# Altium PCB WunderBar_v102b.PcbDoc (part 3 of 7) (continued)
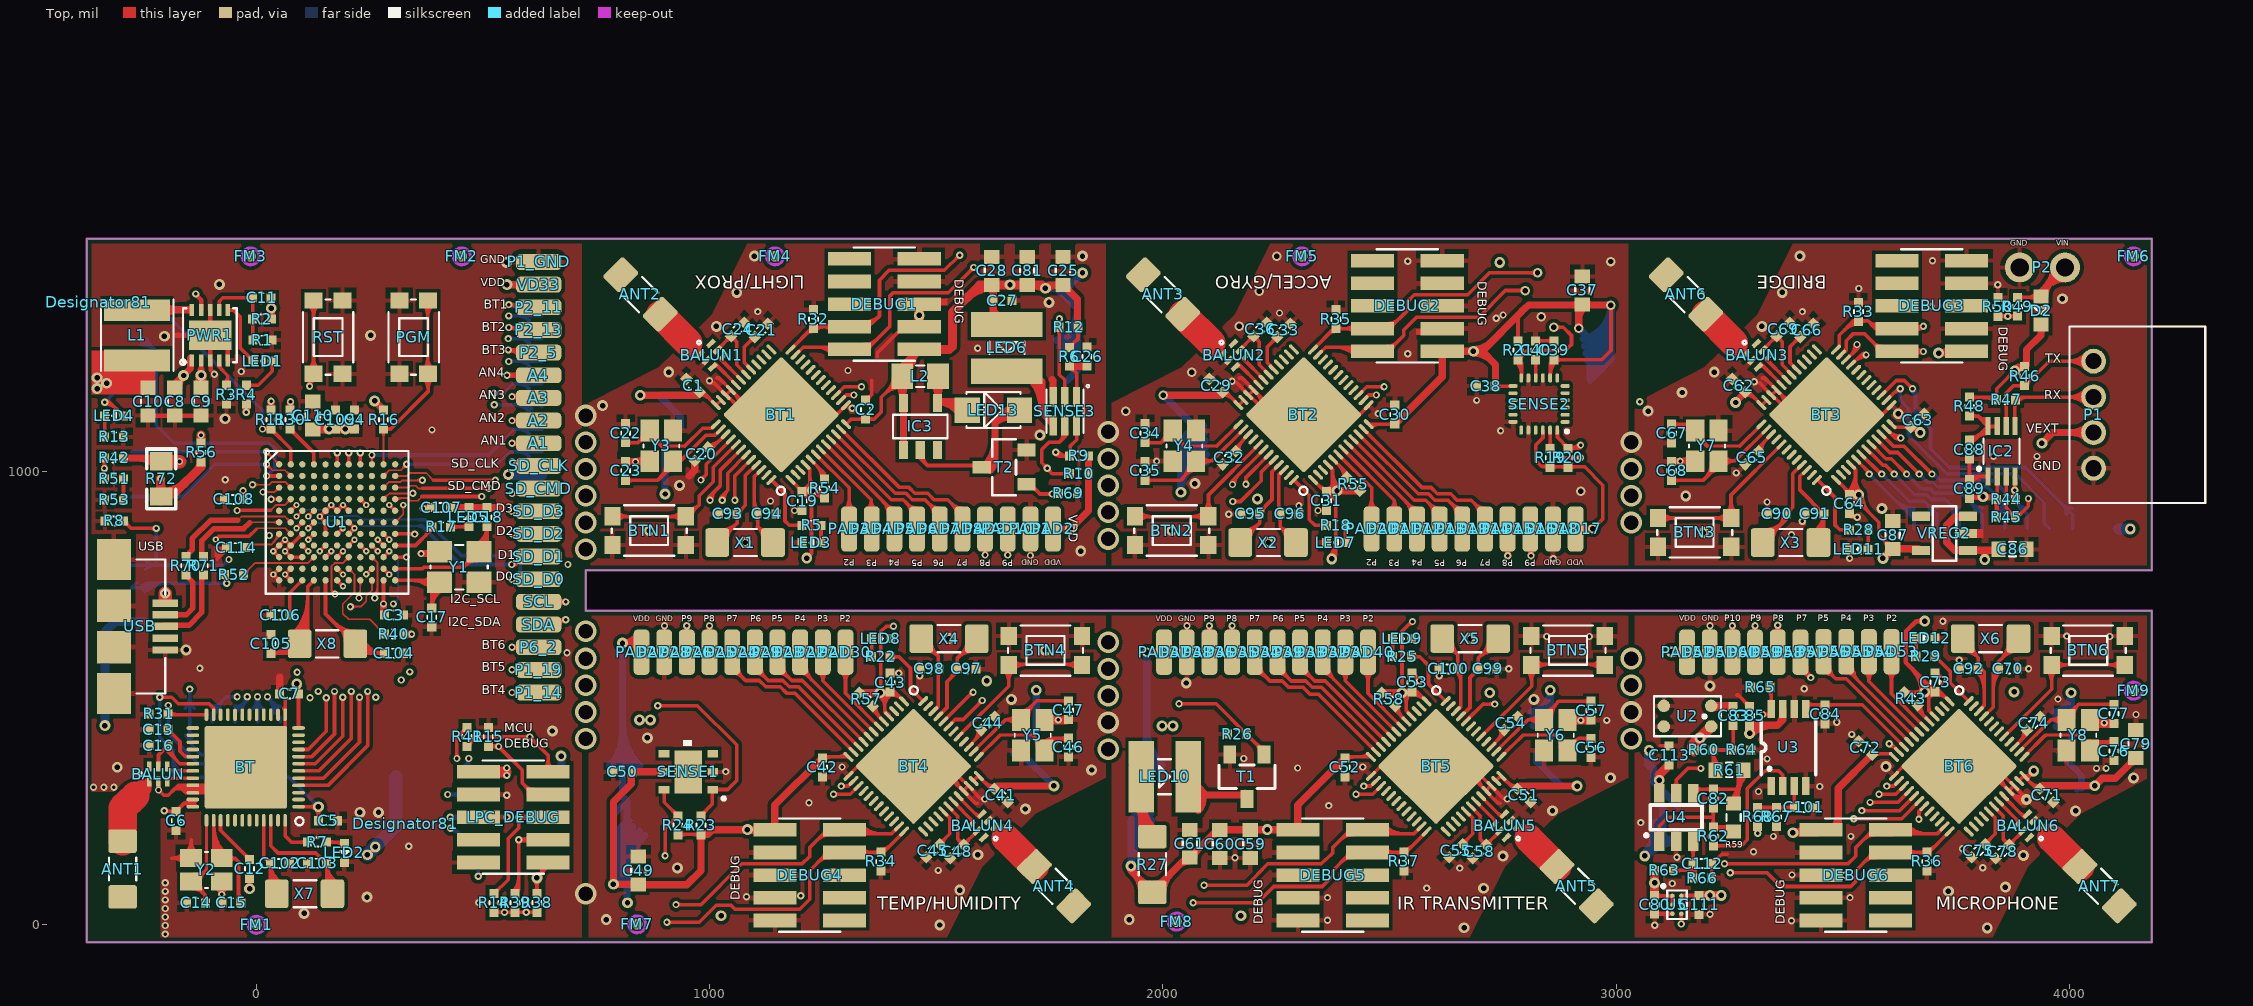
[diagram p0: Top view]
## Nets (pads, with @x,y where several pads share a name; then routed paths per layer and width w, separated by ;. In a path a pad name is that pad's centre, name@x,y a point inside that pad or via, vN(x,y) a via of type N, cw(c..) or ccw(c..) an arc to the next point about the centre after c; other vN are vias at no path point) (continued)
GYRO_SCL: BT2.42 R19.1 SENSE2.23 | length 1128.9
  Top w8: v1(2153.48,971.48) 2153.48,979.48 BT2.42@2223.48,1049.48 ; v1@2157.48,971.48 cw(c2186.45,971.48) 2165.97,991.97 ; R19.1@2850.24,1055.39 ccw(c2839.99,1065.63) 2854.48,1065.63 ccw(c2868.97,1065.63) R19.1@2858.72,1055.39 ; R19.1@2854.48,1045.15 cw(c2854.48,1029.87) 2865.29,1040.67 ; SENSE2.23@2854.48,1091.48 2854.48,1051.48 2875.48,1030.48 v1(2921.48,1030.48) ; R19.1@2860.48,1051.15 ccw(c2874.17,1051.15) 2864.49,1041.47 ; v1@2918.65,1027.65 ccw(c2911.82,1020.82) 2911.82,1030.48 ccw(c2911.82,1040.14) v1@2918.65,1033.31
  Route15 w8: v1(2153.48,971.48) 2212.48,1030.48 v1(2921.48,1030.48) ; v1@2153.48,975.48 ccw(c2153.48,985.14) 2160.31,978.31 ccw(c2167.14,971.48) v1@2157.48,971.48 ; v1@2918.65,1027.65 ccw(c2911.82,1020.82) 2911.82,1030.48 ccw(c2911.82,1040.14) v1@2918.65,1033.31
GYRO_SDA: BT2.43 R20.1 SENSE2.24 | length 1207.6
  Top w8: v1@2180.17,974.83 ccw(c2173.34,981.66) 2183,981.66 ccw(c2192.66,981.66) v1@2185.83,974.83 ; v1(2183,972) 2183,987 BT2.43@2234.48,1038.48 ; SENSE2.24@2870.48,1091.48 2870.48,1075.48 2893.48,1051.48 2914.48,1051.48 v1(2921.48,1058.48) ; 2883.24,1062.16 cw(c2872.22,1051.6) R20.1@2887.48,1051.28 ; 2884.01,1061.37 ccw(c2893.9,1070.85) R20.1@2893.61,1057.15 ; R20.1@2894.92,1051.48 ccw(c2894.92,1085.04) v1@2918.65,1061.31 ; R20.1@2897.72,1046.91 cw(c2908.76,1035.87) 2908.76,1051.48 ; R20.1@2897.72,1055.39 ccw(c2907.17,1064.84) 2907.17,1051.48 ; 2914.24,1051.48 ccw(c2914.24,1065.72) v1@2924.31,1055.65 ; v1@2917.48,1058.48 cw(c2907.82,1058.48) 2914.65,1051.65 cw(c2921.48,1044.82) v1@2921.48,1054.48
  Route15 w8: v1@2179,972 cw(c2169.34,972) 2176.17,965.17 cw(c2183,958.34) v1@2183,968 ; v1(2183,972) 2164,953 2145.48,953 2134,964.48 2134,978 2214.48,1058.48 v1(2921.48,1058.48) ; v1@2918.65,1055.65 ccw(c2911.82,1048.82) 2911.82,1058.48 ccw(c2911.82,1068.14) v1@2918.65,1061.31
L\P\C\_\R\E\S\E\T\: LPC_DEBUG.10 R38.1 RST.P1 RST.P2 U1.J11 | length 2095
  Top w8: RST.P2@114.08,1205.87 cw(c107.05,1198.83) RST.P2@117,1198.83 ; v1@114.17,1191.31 ccw(c107.34,1198.14) 117,1198.14 ccw(c126.66,1198.14) v1@119.83,1191.31 ; RST.P2@116.08,1225.67 ccw(c93.4,1248.35) 125.48,1248.35 ; RST.P1@116.08,1367.58 cw(c93.4,1344.9) 125.48,1344.9 ; v1@117,1187.6 cw(c132.4,1187.6) RST.P2@127.99,1202.36 ; v1(117,1188.48) 117,1206.79 RST.P2@125.98,1215.77 ; RST.P2@117,1198.34 cw(c129.19,1198.34) RST.P2@125.7,1210.02 ; RST.P2@125.48,1215.48 RST.P1@125.48,1377.48 ; 125.48,1250.79 ccw(c161,1250.79) RST.P2@135.88,1225.67 ; 125.48,1342.46 cw(c161,1342.46) RST.P1@135.88,1367.58 ; U1.J11@305.74,811.25 v1(330.65,811.25) ; U1.J11@307.86,809.12 cw(c312.99,804) 312.99,811.25 cw(c312.99,818.49) U1.J11@307.86,813.37 ; v1@327.82,808.42 ccw(c320.99,801.59) 320.99,811.25 ccw(c320.99,820.9) v1@327.82,814.07 ; v2@612.82,97.82 cw(c599.17,84.17) 618.48,84.17 cw(c637.79,84.17) v2@624.14,97.82 ; R38.1@614.24,73.39 ccw(c603.99,83.63) 618.48,83.63 ccw(c632.97,83.63) R38.1@622.72,73.39 ; v2@618.32,111.48 ccw(c617.94,130.79) 631.87,117.4 ccw(c645.79,104.02) v2@626.48,103.64 ; R38.1@618.48,69.48 v2(618.48,103.48) 643.48,129.48 LPC_DEBUG.10@643.48,137.48
  Route2 w8: v1@114.17,1185.65 cw(c107.34,1178.82) 117,1178.82 cw(c126.66,1178.82) v1@119.83,1185.65 ; v1(117,1188.48) 117,1075.09 330.65,861.44 v1(330.65,811.25) 389.09,752.8 389.09,410.95 379.09,400.95 379.09,310.2 403.57,285.72 403.57,107.91 437.48,74 589,74 v2(618.48,103.48) ; v1@327.82,814.07 ccw(c320.99,820.9) 330.65,820.9 ccw(c340.31,820.9) v1@333.48,814.07 ; v1@330.65,807.25 cw(c330.65,797.59) 337.48,804.42 cw(c344.31,811.25) v1@334.65,811.25 ; v2@610.48,103.48 cw(c591.17,103.48) 604.82,89.82 cw(c618.48,76.17) v2@618.48,95.48
LED_A: LED10.A R27.1 | length 523.5
  Top w16: LED10.A@1932.98,293.81 cw(c1885.91,246.73) 1952.48,246.73 ; LED10.A@1934.13,273.43 ccw(c1919.54,282.69) LED10.A@1934.21,291.83 ; LED10.A@1944.04,258.9 cw(c1923.68,238.54) 1952.48,238.54 ; LED10.A@1944.04,275.43 ccw(c1923.68,295.79) LED10.A@1952.48,295.79 ; LED10.A@1944.3,305.12 cw(c1924.53,285.36) LED10.A@1952.48,285.36 ; LED10.A@1945.64,276.76 ccw(c1938.04,287.72) LED10.A@1950.92,291.17 ; 1952.48,239.37 cw(c1980.1,239.37) LED10.A@1960.57,258.9 ; 1952.48,244 ccw(c2020.47,244) R27.1@1972.39,195.92 ; LED10.A@1952.48,255.01 cw(c2010.43,255.01) LED10.A@1969.45,295.99 ; LED10.A@1952.48,282.62 ccw(c2059.1,282.62) R27.1@1983.71,207.23 ; LED10.A@1952.48,294.96 ccw(c1980.1,294.96) LED10.A@1960.57,275.43 ; LED10.A@1952.48,326.48 1952.48,217.48 R27.1@1976.48,194.5
LED_CTRL: BT5.44 R26.2 T1.1 | length 1152.1
  Top w8: v1(2035.48,487.48) 2117.48,487.48 R26.2@2184.48,420.48 T1.1@2222.88,382.08 ; v1@2038.31,484.65 cw(c2045.14,477.82) 2045.14,487.48 cw(c2045.14,497.14) v1@2038.31,490.31 ; R26.2@2178.48,420.48 ccw(c2163.99,420.48) 2174.24,430.72 ccw(c2184.48,440.97) R26.2@2184.48,426.48 ; R26.2@2184.48,414.48 cw(c2184.48,399.99) 2194.72,410.24 cw(c2204.97,420.48) R26.2@2190.48,420.48 ; 2205.54,399.42 cw(c2187.81,381.69) T1.1@2212.88,381.69 ; 2206.47,398.49 ccw(c2222.88,414.9) T1.1@2222.88,391.69 ; BT5.44@2667.48,448.48 2706.71,487.17 v1(2732,487) ; v1@2729.15,484.19 ccw(c2722.28,477.41) 2722.34,487.07 ccw(c2722.41,496.72) v1@2729.19,489.85
  Route15 w8: v1(2035.48,487.48) v1@2732,487.48 ; v1@2038.31,484.65 cw(c2045.14,477.82) 2045.14,487.48 cw(c2045.14,497.14) v1@2038.31,490.31 ; 2721.18,487.48 cw(c2721.18,476.18) v1@2729.17,484.17 ; 2723.5,487.48 ccw(c2723.5,495.5) v1@2729.17,489.83
LIGHT_INT: BT1.44 R10.1 SENSE3.5 | length 1164.4
  Top w8: v1@1052.65,939.31 ccw(c1045.82,946.14) 1055.48,946.14 ccw(c1065.14,946.14) v1@1058.31,939.31 ; v1(1055.48,936.48) 1055.48,990.48 BT1.44@1091.48,1027.48 ; v1@1740.48,1007.48 ccw(c1730.82,1007.48) 1737.65,1014.31 ccw(c1744.48,1021.14) v1@1744.48,1011.48 ; v1@1744.31,1003.48 cw(c1743.89,993.84) 1751.01,1000.36 cw(c1758.12,1006.89) v1@1748.48,1007.31 ; SENSE3.5@1779.5,1087.07 cw(c1751.76,1084.2) 1771.48,1064.48 ; SENSE3.5@1780.65,1084.65 cw(c1773.82,1077.82) 1783.48,1077.82 cw(c1793.14,1077.82) SENSE3.5@1786.31,1084.65 ; 1783.37,1076.37 ccw(c1773.31,1086.43) SENSE3.5@1787.46,1087.89 ; SENSE3.5@1783.48,1101.48 1783.48,1076.48 1771.48,1064.48 ; R10.1@1789.57,991.24 ccw(c1779.33,980.99) 1779.33,995.48 ccw(c1779.33,1009.97) R10.1@1789.57,999.72 ; R10.1@1794.48,995.48 1755.48,995.48 v1(1744.48,1007.48) 1732.48,1019.48 1732.48,1048.48 1748.48,1064.48 1771.48,1064.48
  Route15 w8: v1@1055.45,940.48 ccw(c1055.38,950.14) 1062.26,943.36 ccw(c1069.14,936.58) v1@1059.48,936.51 ; v1(1055.48,936.48) 1125.48,1007.48 v1(1744.48,1007.48) ; v1@1741.65,1004.65 ccw(c1734.82,997.82) 1734.82,1007.48 ccw(c1734.82,1017.14) v1@1741.65,1010.31
LIGHT_SCL: BT1.42 R12.1 SENSE3.2 | length 1480.9
  Top w8: v1@996.48,936.48 cw(c1010.97,936.48) 1000.72,946.72 ; v1@997.65,939.31 ccw(c990.82,946.14) 1000.48,946.14 ccw(c1010.14,946.14) v1@1003.31,939.31 ; v1(1000.48,936.48) 1000.48,946.48 1023.48,969.48 1023.48,1003.48 BT1.42@1069.48,1049.48 ; v1@1004.48,936.48 cw(c1038.28,936.48) 1014.38,960.38 ; R12.1@1766.57,1314.24 cw(c1754.71,1302.38) 1771.48,1302.38 ; R12.1@1766.57,1322.72 ccw(c1754.71,1334.58) v1@1771.48,1334.58 ; v1@1768.2,1334.71 cw(c1760.84,1329.57) R12.1@1769.51,1327.24 ; v1@1768.65,1334.17 cw(c1761.82,1327.34) 1771.48,1327.34 cw(c1781.14,1327.34) v1@1774.31,1334.17 ; 1769.98,1328.97 cw(c1777.24,1327.02) v1@1773.48,1333.54 ; 1771.48,1305.61 cw(c1783.68,1305.61) R12.1@1775.05,1314.24 ; v1@1771.48,1331.35 ccw(c1783.68,1331.35) R12.1@1775.05,1322.72 ; v1(1771.48,1337) 1771.48,1319.48 1770.48,1318.48 1771.48,1317.48 1771.48,1213.48 1783.48,1202.48 SENSE3.2@1783.48,1164.48 ; R12.1@1772.46,1327.7 cw(c1778.78,1329.39) v1@1774.25,1334.11 ; SENSE3.2@1780.65,1181.8 ccw(c1773.82,1188.63) 1783.48,1188.63 ccw(c1793.14,1188.63) SENSE3.2@1786.31,1181.8
  Route15 w8: v1@996.48,936.48 cw(c1010.97,936.48) 1000.72,946.72 ; v1@997.65,939.31 ccw(c990.82,946.14) 1000.48,946.14 ccw(c1010.14,946.14) v1@1003.31,939.31 ; v1(1000.48,936.48) 1000.48,946.48 1147.48,1093.48 1527.96,1093.48 v1(1771.48,1337) ; v1@1004.48,936.48 cw(c1038.28,936.48) 1014.38,960.38 ; v1@1767.48,1337 cw(c1757.82,1337) 1764.65,1330.17 cw(c1771.48,1323.34) v1@1771.48,1333
LIGHT_SCL1: BT4.43 R24.1 SENSE1.6 | length 1230.8
  Top w8: SENSE1.6@896.5,295.28 cw(c889.31,288.09) 899.48,288.09 ; v1@898.65,155.31 ccw(c891.82,162.14) 901.48,162.14 ccw(c911.14,162.14) v1@904.31,155.31 ; 899.48,288.81 cw(c908.63,288.81) SENSE1.6@902.16,295.28 ; SENSE1.6@899.48,298.48 899.48,270.48 929.48,240.48 901.48,212.48 v1(901.48,152.48) ; 918.67,229.67 cw(c929.48,218.87) R24.1@929.48,234.15 ; 919,250.96 cw(c908.2,240.15) 923.48,240.15 cw(c909.79,240.15) 919.47,230.47 ; 919.8,250.16 ccw(c929.48,259.84) R24.1@929.48,246.15 ; BT4.43@1526.64,437.78 1541.86,453 1559,453 v1(1601,495) ; v1@1597,495 cw(c1587.34,495) 1594.17,488.17 cw(c1601,481.34) v1@1601,491
  Route15 w8: v1(901.48,152.48) 1244,495 v1(1601,495) ; v1@901.48,156.48 ccw(c901.48,166.14) 908.31,159.31 ccw(c915.14,152.48) v1@905.48,152.48 ; v1@1598.17,492.17 ccw(c1591.34,485.34) 1591.34,495 ccw(c1591.34,504.66) v1@1598.17,497.83
LIGHT_SDA: BT1.43 R9.1 SENSE3.6 | length 1262.7
  Top w8: v1@1023.49,936.17 cw(c1036.23,937.16) 1027.2,946.2 ; v1@1024.65,939.31 ccw(c1017.82,946.14) 1027.48,946.14 ccw(c1037.14,946.14) v1@1030.31,939.31 ; v1(1027.48,936.48) 1027.48,946.48 1039.48,958.48 ; v1@1031.47,936.79 cw(c1059.02,938.94) 1039.48,958.48 ; BT1.43@1080.48,1038.48 1039.48,996.48 1039.48,958.48 ; v1@1760.65,1039.65 ccw(c1773.14,1052.14) 1773.14,1034.48 ; v1@1763.48,1038.48 cw(c1763.48,1028.82) 1770.31,1035.65 cw(c1777.14,1042.48) v1@1767.48,1042.48 ; v1(1763.48,1042.48) 1771.48,1034.48 1794.48,1034.48 1795.48,1035.48 1795.48,1056.48 1809.48,1070.48 SENSE3.6@1809.48,1101.48 ; v1@1766.31,1045.31 ccw(c1792.45,1071.45) R9.1@1792.45,1034.48 ; R9.1@1789.57,1030.24 ccw(c1779.33,1019.99) 1779.33,1034.48 ccw(c1779.33,1048.97) 1789.57,1038.72 ccw(c1775.3,1053) 1795.48,1053 ; 1795.48,1044.94 ccw(c1804.27,1044.94) R9.1@1798.05,1038.72 ; SENSE3.6@1806.65,1084.65 cw(c1799.82,1077.82) 1809.48,1077.82 cw(c1819.14,1077.82) SENSE3.6@1812.31,1084.65
  Route15 w8: v1@1023.48,936.5 cw(c1042.95,936.4) 1029.25,950.24 ; v1@1024.65,939.31 ccw(c1017.82,946.14) 1027.48,946.14 ccw(c1037.14,946.14) v1@1030.31,939.31 ; v1(1027.48,936.48) 1027.48,948.48 1122.48,1042.48 v1(1763.48,1042.48) ; v1@1031.48,936.46 cw(c1070.26,936.25) 1042.98,963.82 ; v1@1760.65,1039.65 ccw(c1753.82,1032.82) 1753.82,1042.48 ccw(c1753.82,1052.14) v1@1760.65,1045.31
LIGHT_SDA1: BT4.44 R23.1 SENSE1.1 | length 1341.5
  Top w8: v1(885.48,483.48) 972.48,483.48 1059.48,397.48 1059.48,318.48 1039.48,298.48 1005.48,298.48 1005.48,266.48 R23.1@980.48,240.48 ; v1@888.31,480.65 cw(c895.14,473.82) 895.14,483.48 cw(c895.14,493.14) v1@888.31,486.31 ; R23.1@980.36,246.15 ccw(c980.09,259.85) 989.97,250.35 ; R23.1@986.48,240.27 cw(c1001.74,240.57) 990.74,251.15 ; 1005.48,286.04 cw(c1018.55,286.04) SENSE1.1@1009.31,295.28 ; SENSE1.1@1013.31,295.28 cw(c1021.03,287.56) 1021.03,298.48 ; SENSE1.1@1013.31,300.94 ccw(c1019.24,306.87) 1019.24,298.48 ; BT4.44@1515.51,448.92 1579.59,513 v1(1581,513) ; 1571.77,505.18 cw(c1581,495.95) v1@1581,509
  Route15 w8: v1(885.48,483.48) 938,536 1386,536 1409,513 v1(1581,513) ; v1@885.48,487.48 ccw(c885.48,497.14) 892.31,490.31 ccw(c899.14,483.48) v1@889.48,483.48 ; v1@1578.17,510.17 ccw(c1571.34,503.34) 1571.34,513 ccw(c1571.34,522.66) v1@1578.17,515.83
LPC_!TRST: R40.1 U1.K7 | length 274.9
  Top w4: U1.K7@203.36,780.67 cw(c203.36,768.6) 211.9,777.13 cw(c220.44,785.67) U1.K7@208.36,785.67 ; U1.K7@203.36,785.67 216.16,772.87 216.16,733.65 190.28,707.78 190.28,686.72 203,674 249.42,674 R40.1@282.09,641.32 ; R40.1@274.09,641.32 ccw(c254.78,641.32) 268.44,654.98 ccw(c282.09,668.64) R40.1@282.09,649.32
LPC_LED: R17.2 U1.H11 | length 124.3
  Top w8: U1.H11@305.74,836.85 350.89,836.85 R17.2@383.48,869.44 ; U1.H11@307.86,834.73 cw(c312.99,829.61) 312.99,836.85 cw(c312.99,844.09) U1.H11@307.86,838.97 ; 372.41,858.37 ccw(c352.93,877.85) R17.2@380.48,877.85
LPC_LED_LIM: LED5.A R17.1 | length 84.8
  Top w8: R17.1@428.15,877.85 LED5.A@467.48,877.85 ; R17.1@432.39,873.61 cw(c442.63,863.37) 442.63,877.85 cw(c442.63,892.34) R17.1@432.39,882.09 ; 451.58,877.85 ccw(c451.58,895.75) LED5.A@464.24,883.09 ; 456.41,877.85 cw(c456.41,866.78) LED5.A@464.24,874.61
LPC_SWDCLK: LPC_DEBUG.4 R15.1 U1.J6 | length 1264.3
  Top w4: U1.J6@175.98,809.44 U1.J6@177.78,811.24
  Top w8: U1.J6@177.78,811.24 v3(190.59,824.03) ; U1.J6@177.78,814.24 ccw(c177.78,821.48) 182.9,816.36 ccw(c188.02,811.24) U1.J6@180.78,811.24 ; 185.45,818.9 cw(c190.59,813.76) v3@190.59,821.03 ; 185.47,818.93 ccw(c180.37,824.03) v3@187.59,824.03 ; R15.1@511.48,393.48 v1@532.48,393.48 ; R15.1@515.72,389.57 cw(c525.17,380.12) 525.17,393.48 ; R15.1@515.72,398.05 ccw(c526.76,409.09) v1@526.76,393.48 ; 521.85,394.8 ccw(c524.87,406.08) v1@531.67,396.58 ; 523.98,393.48 cw(c523.98,383.31) v1@531.17,390.5 ; 524.7,393.48 ccw(c524.7,402.63) v1@531.17,396.16 ; v1@534,389.33 cw(c534,379.67) 540.83,386.5 cw(c547.66,393.33) v1@538,393.33 ; v1(534,393.33) 586,341.33 586,313 611.52,287.48 LPC_DEBUG.4@643.48,287.48 ; 591.82,307.18 cw(c572.12,287.48) LPC_DEBUG.4@599.98,287.48 ; 593.12,305.88 ccw(c610.98,323.73) LPC_DEBUG.4@610.98,298.48
  Route2 w4: 156.18,722.01 156.18,735.86 172.53,752.22 172.53,805.97 v3(190.59,824.03) ; v3@185.59,824.03 cw(c173.52,824.03) 182.05,815.5 cw(c190.59,806.96) v3@190.59,819.03
  Route2 w8: v1@115.17,503.84 ccw(c108.34,510.67) 118,510.67 ccw(c127.66,510.67) v1@120.83,503.84 ; v1(118,501.01) 118,643.33 156.18,681.51 156.18,722.01
  Route15 w8: v1@114,501.01 ccw(c130.11,501.01) 118.72,489.62 ; v1@115.17,498.18 cw(c108.34,491.35) 118,491.35 cw(c127.66,491.35) v1@120.83,498.18 ; v1(118,501.01) 118,490.33 148.33,460 467.33,460 v1(534,393.33) ; v1@122,501.01 ccw(c157.43,501.01) 132.38,475.96 ; v1@530,393.33 ccw(c520.34,393.33) 527.17,400.16 ccw(c534,406.99) v1@534,397.33
LPC_SWDIO: LPC_DEBUG.2 R41.1 U1.H9 | length 1162.7
  Top w4: U1.H9@254.55,831.83 cw(c254.55,819.76) 263.08,828.3 cw(c271.62,836.83) U1.H9@259.55,836.83 ; U1.H9@254.55,836.83 v3(267.42,823.98) ; U1.H9@256.89,831.88 cw(c251.24,822.1) v3@262.45,823.41 ; U1.H9@258.84,832.54 ccw(c267.42,841.11) v3@267.42,828.98 ; U1.H9@258.9,832.48 cw(c250.4,823.98) v3@262.42,823.98 ; U1.H9@259.5,834.51 ccw(c269.24,840.14) v3@267.98,828.95 ; 261.03,829.48 ccw(c264.39,835.3) v3@266.13,828.81 ; 261.93,830.29 cw(c256.21,826.99) v3@262.59,825.28
  Top w8: R41.1@464.48,394.48 485.48,414.48 v1(602.53,414.49) 643.48,373.52 LPC_DEBUG.2@643.48,337.48 LPC_DEBUG.2@632.48,337.48 ; R41.1@464.63,399.81 ccw(c464.94,412.64) R41.1@473.79,403.34 ; R41.1@470.48,393.66 cw(c486.61,393.27) 475.48,404.96 ; 592.85,414.48 ccw(c592.85,424.17) v1@599.7,417.32 ; 592.89,414.48 cw(c592.89,404.85) v1@599.7,411.66 ; v1@602.53,410.49 cw(c602.53,400.88) 609.33,407.67 cw(c616.23,414.49) v1@606.53,414.49 ; LPC_DEBUG.2@635.7,345.26 ccw(c616.92,364.04) 643.48,364.04 ccw(c670.04,364.04) LPC_DEBUG.2@651.26,345.26
  Route2 w4: v3@267.42,818.98 cw(c267.42,806.91) 275.96,815.45 cw(c284.49,823.98) v3@272.42,823.98 ; v3(267.42,823.98) 347.91,743.5
  Route2 w8: v1@316.17,542.83 ccw(c309.34,549.66) 319,549.66 ccw(c328.66,549.66) v1@321.83,542.83 ; v1(319,540) 319,653 347.91,681.91 347.91,743.5
  Route15 w8: v1(319,540) 477.02,540 v1(602.53,414.49) ; v1@321.83,537.17 cw(c328.66,530.34) 328.66,540 cw(c328.66,549.66) v1@321.83,542.83 ; v1@598.53,414.49 ccw(c588.87,414.49) 595.7,421.32 ccw(c602.53,428.15) v1@602.53,418.49
LPC_SWO: LPC_DEBUG.6 R14.1 U1.J7 | length 1466.2
  Top w4: v1@167.11,731.13 ccw(c159.58,732.58) 165,738 ; v1@171.87,735.89 cw(c170.42,743.42) 165,738 ; v1(173,730) 165,738 ; U1.J7@198.36,811.25 cw(c186.29,811.25) 194.83,802.72 cw(c203.36,794.18) U1.J7@203.36,806.25 ; U1.J7@203.36,811.25 190.27,798.15 172.15,798.15 165,791 165,738
  Top w8: R14.1@523.48,69.48 524.48,69.48 555.48,99.48 555.48,190.36 578.48,213.36 v1(578.48,237.48) LPC_DEBUG.6@643.48,237.48 ; R14.1@523.58,75.15 ccw(c523.84,91.19) 535,79.66 ; R14.1@529.48,69.05 cw(c542.4,68.84) R14.1@533.41,78.13 ; v1@575.65,234.65 cw(c568.82,227.82) 578.48,227.82 cw(c588.14,227.82) 581.31,234.65 cw(c588.14,227.82) 588.14,237.48 cw(c588.14,247.14) v1@581.31,240.31 ; v1@580.48,234.02 cw(c587.93,221.1) 591.79,235.51 ; v1@580.48,240.94 ccw(c587.93,253.86) 591.79,239.46 ; LPC_DEBUG.6@603.2,229.7 ccw(c584.42,210.92) 584.42,237.48 ccw(c584.42,264.04) LPC_DEBUG.6@603.2,245.26
  Route2 w8: v1@133.17,517.83 ccw(c126.34,524.66) 136,524.66 ccw(c145.66,524.66) v1@138.83,517.83 ; v1(136,515) 136,641.67 173,678.67 v1(173,730) ; v1@170.17,727.17 cw(c163.34,720.34) 173,720.34 cw(c182.66,720.34) v1@175.83,727.17
  Route15 w8: v1@133.17,512.17 cw(c126.34,505.34) 136,505.34 cw(c145.66,505.34) v1@138.83,512.17 ; v1(136,515) 136,492 150,478 482,478 578.48,381.52 v1(578.48,237.48) ; v1@575.65,240.31 ccw(c568.82,247.14) 578.48,247.14 ccw(c588.14,247.14) v1@581.31,240.31
LPC_TDI: LPC_DEBUG.8 R39.1 U1.H8 | length 1488
  Top w4: U1.H8@228.96,831.85 cw(c228.96,819.78) 237.5,828.31 cw(c246.03,836.85) U1.H8@233.96,836.85 ; U1.H8@228.96,836.85 v3(241.84,823.98) ; U1.H8@231.3,831.9 cw(c225.65,822.11) v3@236.87,823.41 ; U1.H8@233.91,834.52 ccw(c243.69,840.16) v3@242.41,828.95 ; 235.48,829.48 ccw(c238.82,835.26) v3@240.54,828.81 ; 236.34,830.31 cw(c230.6,827) v3@237.01,825.28 ; v3@236.84,823.98 ccw(c224.78,823.98) 233.31,832.51 ccw(c241.84,841.07) v3@241.84,828.98
  Top w8: R39.1@566.24,73.39 ccw(c536.68,102.95) 578.48,102.95 ; R39.1@570.48,69.48 578.48,77.48 v1(578.48,187.48) LPC_DEBUG.8@643.48,187.48 ; R39.1@571.89,67.74 ccw(c555.99,83.63) 578.48,83.63 ; v1@575.65,184.65 cw(c568.82,177.82) 578.48,177.82 cw(c588.14,177.82) 581.31,184.65 cw(c588.14,177.82) 588.14,187.48 cw(c588.14,197.14) v1@581.31,190.31 ; v1@580.48,184.02 cw(c587.93,171.1) 591.79,185.51 ; v1@580.48,190.94 ccw(c587.93,203.86) 591.79,189.46 ; LPC_DEBUG.8@603.2,179.7 ccw(c584.42,160.92) 584.42,187.48 ccw(c584.42,214.04) LPC_DEBUG.8@603.2,195.26
  Route2 w4: v3@241.84,818.98 cw(c241.84,806.91) 250.37,815.45 cw(c258.91,823.98) v3@246.84,823.98 ; v3(241.84,823.98) 267.01,798.81 267.01,777.72 303.91,740.82 325,740.82 334,731.82
  Route2 w8: v1@260.17,504.83 ccw(c253.34,511.66) 263,511.66 ccw(c272.66,511.66) v1@265.83,504.83 ; v1(263,502) 263,618 ; 264,618 334,688 334,731.82
  Route15 w8: v1(263,502) 269,496 493.29,496 599,390.29 599,208 v1(578.48,187.48) ; v1@265.83,504.83 ccw(c287.14,526.14) 287.14,496 ; v1@578.48,191.48 ccw(c578.48,201.14) 585.31,194.31 ccw(c592.14,187.48) v1@582.48,187.48
MIC_SENSE: BT6.10 C84.2 U3.5 | length 326.4
  Top w8: U3.5@3418.8,476.32 3427.68,485.2 ; U3.5@3421.8,491.08 ccw(c3435.98,505.26) 3435.98,485.2 ; U3.5@3422.94,489 ccw(c3427.68,490.05) 3427.68,485.2 ; C84.2@3456.84,480.96 ccw(c3446.6,470.72) 3446.6,485.2 ccw(c3446.6,499.69) C84.2@3456.84,489.45 ; C84.2@3465.32,480.96 cw(c3475.57,470.72) 3475.57,485.2 cw(c3475.57,499.69) C84.2@3465.32,489.45 ; BT6.10@3635.38,392.63 3542.81,485.2 C84.2@3461.08,485.2 3427.68,485.2
NetBT1_5: BT1.5 R54.2 | length 120.7
  Top w8: BT1.5@1222.63,1026.39 1252.51,996.51 ; 1235.07,1013.95 cw(c1204.96,983.85) R54.2@1247.54,983.85 ; 1248.72,1000.3 cw(c1232.28,983.85) R54.2@1255.54,983.85 ; R54.2@1249.29,988.09 ccw(c1241.52,995.87) 1252.51,995.87 ; R54.2@1252.51,987.41 1252.51,996.51 ; R54.2@1256.71,988.94 cw(c1261.43,996.5) 1252.51,996.5
NetBT1_41: BT1.41 BTN1.P3 BTN1.P4 | length 539.1
  Top w8: BTN1.P3@785.48,900.48 946.48,900.48 950.48,900.48 976.48,926.48 ; BTN1.P3@795.38,891.58 cw(c816.87,870.1) 816.87,900.48 ; BTN1.P3@795.38,911.38 ccw(c821.69,937.69) 821.69,900.48 ; 910.98,900.48 ccw(c910.98,937.69) BTN1.P4@937.29,911.38 ; 915.8,900.48 cw(c915.8,870.1) BTN1.P4@937.29,891.58 ; BTN1.P4@948.03,909.42 ccw(c950.85,929.43) BTN1.P4@965.14,915.14 ; BTN1.P4@949.15,917.34 ccw(c953.66,949.3) 976.48,926.48 ; BTN1.P4@961.19,903.48 cw(c979.8,903.48) 966.64,916.64 ; BT1.41@1058.48,1060.48 1007.48,1009.48 1007.48,977.48 976.48,946.48 976.48,926.48
NetBT2_5: BT2.5 R55.2 | length 93.6
  Top w8: BT2.5@2375.63,1026.39 2404.28,997.74 R55.2@2404.28,988.23 ; 2388.32,1013.7 cw(c2361.85,987.23) R55.2@2399.28,987.23 ; 2401.98,1000.04 cw(c2389.16,987.23) R55.2@2407.28,987.23
NetBT2_41: BT2.41 BTN2.P3 BTN2.P4 | length 527.7
  Top w8: BTN2.P3@1938.48,900.48 2100.48,900.48 2100.48,948.48 BT2.41@2212.48,1060.48 ; BTN2.P3@1948.38,891.58 cw(c1969.87,870.1) 1969.87,900.48 ; BTN2.P3@1948.38,911.38 ccw(c1974.69,937.69) 1974.69,900.48 ; 2063.98,900.48 ccw(c2063.98,937.69) BTN2.P4@2090.29,911.38 ; 2068.8,900.48 cw(c2068.8,870.1) BTN2.P4@2090.29,891.58 ; BTN2.P4@2090.29,913.38 ccw(c2065.69,937.98) 2100.48,937.98 ; 2100.48,936.58 ccw(c2133.28,936.58) BTN2.P4@2110.09,913.38
NetBT4_5: BT4.5 R57.2 | length 87.1
  Top w8: R57.2@1357.75,482.5 ccw(c1375.47,482.5) 1362.94,469.97 ; R57.2@1359.75,482.5 1359.75,473.16 BT4.5@1384.33,448.58 ; R57.2@1365.75,482.5 ccw(c1402.78,482.5) BT4.5@1376.59,456.31
NetBT4_46: BT4.46 C98.2 X4.1 | length 342.2
  Top w8: X4.1@1466.46,631.48 1504.48,592.48 1504.48,564.48 1504.48,483.48 ; X4.1@1468.49,612.13 cw(c1472.73,583.28) 1493.62,603.63 ; X4.1@1469.66,604.21 cw(c1475.55,564.15) 1504.55,592.41 ; X4.1@1488.45,625.69 ccw(c1528.4,625.18) 1499.79,597.3 ; BT4.46@1492.48,470.48 1504.48,483.48 ; C98.2@1501.24,560.24 cw(c1493.41,552.41) 1504.48,552.41 ; C98.2@1501.24,568.72 ccw(c1493.41,576.55) 1504.48,576.55 ; 1504.48,488.33 cw(c1490.24,488.33) 1500.31,478.26 ccw(c1499.13,483.48) 1504.48,483.48 ; 1504.48,547.58 cw(c1522.38,547.58) C98.2@1509.72,560.24 ; 1504.48,581.38 ccw(c1522.38,581.38) C98.2@1509.72,568.72
NetBT5_5: BT5.5 R58.2 | length 86.6
  Top w8: R58.2@2510.51,482.56 ccw(c2527.82,482.56) 2515.58,470.32 ; R58.2@2512.51,482.56 2512.51,473.39 BT5.5@2537.33,448.58 ; R58.2@2518.51,482.56 ccw(c2555.13,482.56) BT5.5@2529.24,456.66
NetBT6_5: BT6.5 R43.2 | length 88.6
  Top w8: R43.2@3663.09,483.98 ccw(c3680.39,483.98) 3668.16,471.74 ; R43.2@3665.09,483.98 3665.09,474.81 BT6.5@3691.33,448.58 ; R43.2@3671.09,483.98 ccw(c3707.71,483.98) BT6.5@3681.81,458.09
NetC82_1: C82.1 R59.1 R61.2 U4.4 | length 448.9
  Top w8: U4.4@3169.81,290.07 3179.17,299.42 C82.1@3214.3,299.42 3269.48,299.42 ; U4.4@3175.34,293.4 cw(c3189.87,278.87) 3189.87,299.42 ; U4.4@3175.34,304.45 ccw(c3187.47,316.58) 3187.47,299.42 ; C82.1@3210.06,295.18 ccw(c3199.81,284.94) 3199.81,299.42 ccw(c3199.81,313.91) C82.1@3210.06,303.66 ; C82.1@3218.54,295.18 cw(c3228.78,284.94) 3228.78,299.42 cw(c3228.78,313.91) C82.1@3218.54,303.66 ; R59.1@3252.34,275.38 ccw(c3210.95,316.77) 3269.48,316.77 ; R59.1@3257.99,269.73 ccw(c3230.26,297.46) 3269.48,297.46 ; R59.1@3258.97,267.25 3269.48,277.76 3269.48,330.06 R61.2@3280.73,341.31 ; 3269.48,284.89 cw(c3335.66,284.89) R61.2@3288.86,331.68 ; 3269.48,304.2 cw(c3316.35,304.2) R61.2@3283.21,337.34 ; 3269.48,323.51 cw(c3297.03,323.51) R61.2@3277.55,343
NetC82_2: C82.2 R59.2 R62.1 U4.1 | length 438.9
  Top w8: U4.1@3089.49,198.15 ccw(c3076.15,211.48) 3095.01,211.48 ccw(c3113.87,211.48) U4.1@3100.53,198.15 ; U4.1@3095.01,183.77 3095.01,218.01 3114,237 3214.3,237 ; R62.1@3210.06,219.9 ccw(c3199.81,230.15) 3214.3,230.15 ccw(c3228.78,230.15) 3218.54,219.9 ccw(c3228.78,230.15) 3228.78,215.66 ccw(c3228.78,201.18) R62.1@3218.54,211.42 ; C82.2@3210.06,253.51 cw(c3199.81,243.27) 3214.3,243.27 cw(c3228.78,243.27) C82.2@3218.54,253.51 ; R62.1@3214.3,217.08 3214.3,237 ; C82.2@3214.3,257.75 3214.3,237 ; R62.1@3217.3,210.47 cw(c3224.54,197.92) 3228.29,211.91 cw(c3232.04,225.9) R62.1@3219.5,218.66 ; 3230.43,215.66 cw(c3230.43,185.2) R59.2@3254.68,203.63 ; R59.2@3248.31,198.79 ccw(c3214.3,172.94) R62.1@3214.3,215.66 3249.06,215.66 R59.2@3258.97,205.75
NetC83_1: C83.1 R60.2 R61.1 R64.1 | length 318.6
  Top w8: R60.2@3209.73,381.43 cw(c3199.48,371.18) 3213.97,371.18 cw(c3228.45,371.18) 3218.21,381.43 cw(c3228.45,371.18) 3228.45,385.67 cw(c3228.45,400.15) R60.2@3218.21,389.91 ; R61.1@3211.1,350.95 ccw(c3204.18,357.87) R61.1@3213.97,357.87 ; 3213.97,363.97 ccw(c3240.39,363.97) R61.1@3221.71,345.29 ; R60.2@3213.97,383.29 ccw(c3259.7,383.29) R61.1@3227.36,350.95 ; R61.1@3219.23,341.31 3213.97,346.58 R60.2@3213.97,385.67 R64.1@3255.29,385.67 3255.97,385.67 3258.28,387.98 C83.1@3258.28,440.03 ; R64.1@3251.05,381.43 ccw(c3240.81,371.18) 3240.81,385.67 ccw(c3240.81,400.15) 3251.05,389.91 ccw(c3233.59,407.37) 3258.28,407.37 ; C83.1@3254.04,435.79 cw(c3243.79,425.55) 3258.28,425.55 cw(c3272.76,425.55) C83.1@3262.52,435.79
NetC83_2: C83.2 U2.4 | length 49
  Top w8: U2.4@3209.77,482.88 U2.4@3210.95,481.7
  Top w20: U2.4@3210.95,481.7 C83.2@3258.28,481.7
NetC101_2: C101.2 R67.2 R68.2 U3.3 | length 258.2
  Top w8: R68.2@3312.28,258.75 3348.3,258.75 3392.9,258.75 C101.2@3393.2,259.05 U3.3@3393.2,306.32 ; R68.2@3316.52,254.51 cw(c3326.76,244.27) 3326.76,258.75 cw(c3326.76,273.24) R68.2@3316.52,262.99 ; R67.2@3349.53,254.51 ccw(c3339.29,244.27) 3339.29,258.75 ccw(c3339.29,273.24) R67.2@3349.53,262.99 ; R67.2@3358.01,254.51 cw(c3368.26,244.27) 3368.26,258.75 cw(c3368.26,273.24) R67.2@3358.01,262.99 ; 3378,258.75 ccw(c3378,274.24) 3388.95,263.29 ccw(c3378.71,273.53) 3393.2,273.53 ccw(c3407.68,273.53) C101.2@3397.44,263.29 ; 3379.42,258.75 cw(c3379.42,245.27) C101.2@3388.95,254.8 ; U3.3@3390.19,291.57 cw(c3382.94,284.31) 3393.2,284.31 cw(c3403.46,284.31) U3.3@3396.2,291.57
NetC106_1: C106.1 U1.L3 | length 122.2
  Top w8: C106.1@69.13,687.72 ccw(c58.88,697.97) 73.37,697.97 ccw(c87.85,697.97) C106.1@77.61,687.72 ; C106.1@73.37,683.48 73.37,732.45 U1.L3@100.99,760.07 ; U1.L3@97.99,760.07 cw(c90.74,760.07) 95.86,754.95 cw(c100.99,749.83) U1.L3@100.99,757.07
NetC112_2: C112.2 R63.2 R66.2 U4.3 | length 239
  Top w8: R63.2@3128.97,120 3169.17,120 R66.2@3169.17,103 ; R63.2@3130.91,115.76 cw(c3141.15,105.51) 3141.15,120 cw(c3141.15,134.49) R63.2@3130.91,124.24 ; U4.3@3164.29,169.39 cw(c3150.96,156.05) 3169.81,156.05 cw(c3188.67,156.05) U4.3@3175.34,169.39 ; R66.2@3164.92,107.24 ccw(c3154.68,117.48) 3169.17,117.48 ccw(c3183.65,117.49) R66.2@3173.41,107.24 ; C112.2@3164.92,139.24 ccw(c3153.12,151.05) 3169.81,151.05 ; C112.2@3165.28,130.43 cw(c3156.97,120.63) 3169.81,120.63 U4.3@3169.81,183.77 ; 3169.81,122.08 cw(c3182.09,122.08) C112.2@3173.41,130.76 ; 3169.81,147.92 ccw(c3182.09,147.92) C112.2@3173.41,139.24
NetC114_2: C114.2 U1.G1 | length 134.1
  Top w4: C114.2@-27.22,832 -20.25,838.97 31.97,838.97 47.73,854.73 47.73,860.38 U1.G1@49.81,862.46 ; 37.28,844.28 ccw(c19.11,862.46) U1.G1@44.81,862.46 ; 44.11,851.11 ccw(c32.77,862.46) U1.G1@48.81,862.46 ; U1.G1@46.28,858.92 cw(c42.77,855.41) 47.73,855.41 ; 47.31,854.92 ccw(c46.94,857.96) U1.G1@50,857.96